# Altium PCB LimeSDR-QPCIe_1v2.PcbDoc (part 2 of 21)
Units mm, origin at the board's own origin, x right, y up, seen from the top; angles counter-clockwise.
Board outline 190 x 111.15 mm, 14 copper layers (Top, L2, L3, L4, L5, L6, L7, L8, L9, L10, L11, L12, L13, Bottom), stack 1.907 mm thick; 2014 components, 1408 nets, 9111 pads, 4171 vias.
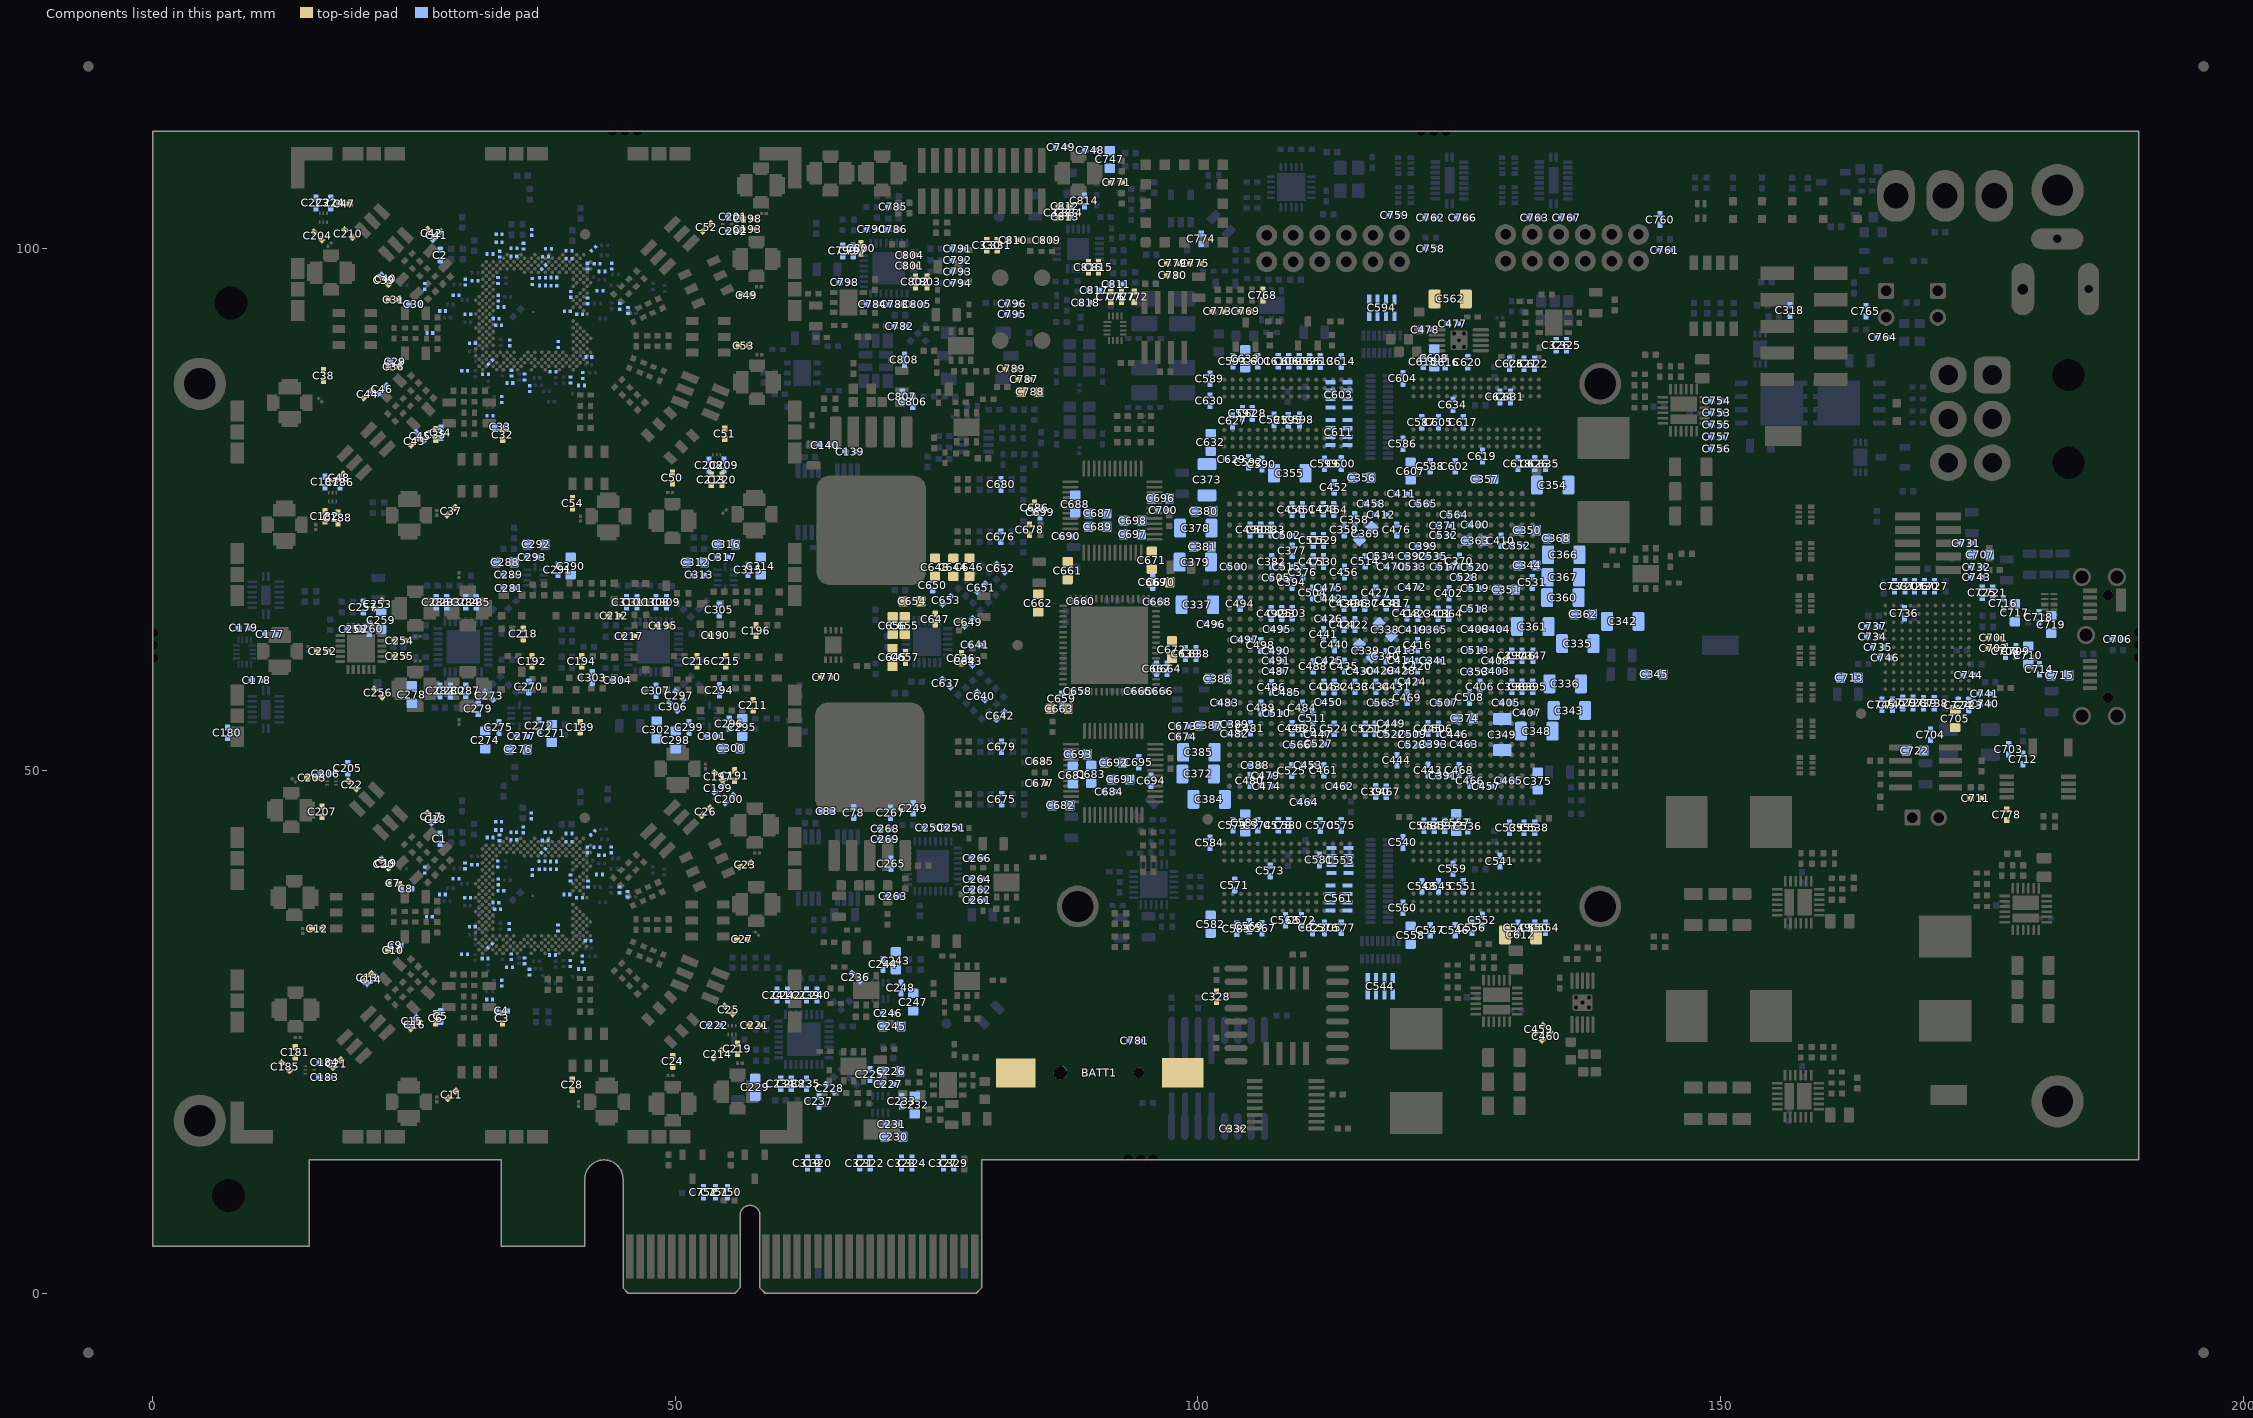
[diagram p14: the components of this part, seen from the top]

## Classes and differential pairs (continued)
differential pair LMS1_TX1_BB_I: +LMS1_TX1_BB_I_P -LMS1_TX1_BB_I_N
differential pair CLK125_FPGA_REF: +CLK125_FPGA_REF_P -CLK125_FPGA_REF_N
differential pair CLK125_FPGA_REFC: +CLK125_FPGA_REFC_P -CLK125_FPGA_REFC_N
differential pair LMS1_TX2_BB_Q: +LMS1_TX2_BB_Q_P -LMS1_TX2_BB_Q_N
differential pair LMS1_TX2_BB_I: +LMS1_TX2_BB_I_P -LMS1_TX2_BB_I_N
differential pair TX2_BB_Q: +TX2_BB_Q_P -TX2_BB_Q_N
differential pair TX2_BB_I: +TX2_BB_I_P -TX2_BB_I_N
differential pair TX1_BB_Q: +TX1_BB_Q_P -TX1_BB_Q_N
differential pair TX1_BB_I: +TX1_BB_I_P -TX1_BB_I_N
differential pair LMS2_TX2_BB_Q: +LMS2_TX2_BB_Q_P -LMS2_TX2_BB_Q_N
differential pair LMS2_TX2_BB_I: +LMS2_TX2_BB_I_P -LMS2_TX2_BB_I_N
differential pair LMS2_TX1_BB_Q: +LMS2_TX1_BB_Q_P -LMS2_TX1_BB_Q_N
differential pair LMS2_TX1_BB_I: +LMS2_TX1_BB_I_P -LMS2_TX1_BB_I_N
differential pair LMS1_RX1_BB_Q: +LMS1_RX1_BB_Q_P -LMS1_RX1_BB_Q_N
differential pair LMS1_RX1_BB_I: +LMS1_RX1_BB_I_P -LMS1_RX1_BB_I_N
differential pair DAC2_IOUTB: +DAC2_IOUTB_P -DAC2_IOUTB_N
differential pair DAC2_IOUTA: +DAC2_IOUTA_P -DAC2_IOUTA_N
differential pair DAC1_IOUTB: +DAC1_IOUTB_P -DAC1_IOUTB_N
differential pair DAC1_IOUTA: +DAC1_IOUTA_P -DAC1_IOUTA_N
differential pair DRVBC: +DRVBC_P -DRVBC_N
differential pair PCIE_HSI3_IC: +PCIE_HSI3_IC_P -PCIE_HSI3_IC_N
differential pair PCIE_HSI2_IC: +PCIE_HSI2_IC_P -PCIE_HSI2_IC_N
differential pair PCIE_HSI1_IC: +PCIE_HSI1_IC_P -PCIE_HSI1_IC_N
differential pair PCIE_HSI0_IC: +PCIE_HSI0_IC_P -PCIE_HSI0_IC_N
differential pair DRVAC: +DRVAC_P -DRVAC_N
differential pair ADC_INB: +ADC_INB_P -ADC_INB_N
differential pair ADC_INA: +ADC_INA_P -ADC_INA_N
differential pair DDR3_TOP_DQS1: +DDR3_TOP_DQS1_P -DDR3_TOP_DQS1_N
differential pair DDR3_TOP_DQS0: +DDR3_TOP_DQS0_P -DDR3_TOP_DQS0_N
differential pair DDR3_BOT_DQS3: +DDR3_BOT_DQS3_P -DDR3_BOT_DQS3_N
differential pair DDR3_BOT_DQS2: +DDR3_BOT_DQS2_P -DDR3_BOT_DQS2_N
differential pair CLK125_FPGA_TOP: +CLK125_FPGA_TOP_P -CLK125_FPGA_TOP_N
differential pair CLK125_FPGA_BOT: +CLK125_FPGA_BOT_P -CLK125_FPGA_BOT_N
differential pair EXT_GXB_CLK: +EXT_GXB_CLK_P -EXT_GXB_CLK_N
differential pair ADC_DB6: +ADC_DB6_P -ADC_DB6_N
differential pair ADC_DB5: +ADC_DB5_P -ADC_DB5_N
differential pair ADC_DB4: +ADC_DB4_P -ADC_DB4_N
differential pair ADC_DB3: +ADC_DB3_P -ADC_DB3_N
differential pair ADC_DB2: +ADC_DB2_P -ADC_DB2_N
differential pair ADC_DB1: +ADC_DB1_P -ADC_DB1_N
differential pair ADC_DB0: +ADC_DB0_P -ADC_DB0_N
differential pair ADC_DA6: +ADC_DA6_P -ADC_DA6_N
differential pair ADC_DA5: +ADC_DA5_P -ADC_DA5_N
differential pair ADC_DA4: +ADC_DA4_P -ADC_DA4_N
differential pair ADC_DA3: +ADC_DA3_P -ADC_DA3_N
differential pair ADC_DA2: +ADC_DA2_P -ADC_DA2_N
differential pair ADC_DA1: +ADC_DA1_P -ADC_DA1_N
differential pair ADC_DA0: +ADC_DA0_P -ADC_DA0_N
differential pair ADC_CLK: +ADC_CLK_P -ADC_CLK_N
differential pair ADC_CLKOUT: +ADC_CLKOUT_P -ADC_CLKOUT_N
differential pair TXRF12_2BB: +TXRF12_2BB_P -TXRF12_2BB_N
differential pair TXRF12_2AB: +TXRF12_2AB_P -TXRF12_2AB_N
differential pair TXRF12_1BB: +TXRF12_1BB_P -TXRF12_1BB_N
differential pair TXRF12_1AB: +TXRF12_1AB_P -TXRF12_1AB_N
differential pair TXRF11_2BB: +TXRF11_2BB_P -TXRF11_2BB_N
differential pair TXRF11_2AB: +TXRF11_2AB_P -TXRF11_2AB_N
differential pair TXRF11_1BB: +TXRF11_1BB_P -TXRF11_1BB_N
differential pair TXRF11_1AB: +TXRF11_1AB_P -TXRF11_1AB_N
differential pair SI5351_XTAL: +SI5351_XTAL_P -SI5351_XTAL_N
differential pair RXRF12_WBB: +RXRF12_WBB_P -RXRF12_WBB_N
differential pair RXRF12_WAB: +RXRF12_WAB_P -RXRF12_WAB_N
differential pair RXRF12_LBB: +RXRF12_LBB_P -RXRF12_LBB_N
differential pair RXRF12_LAB: +RXRF12_LAB_P -RXRF12_LAB_N
differential pair RXRF12_HBB: +RXRF12_HBB_P -RXRF12_HBB_N
differential pair RXRF12_HAB: +RXRF12_HAB_P -RXRF12_HAB_N
differential pair RXRF11_WBB: +RXRF11_WBB_P -RXRF11_WBB_N
differential pair RXRF11_WAB: +RXRF11_WAB_P -RXRF11_WAB_N
differential pair RXRF11_LBB: +RXRF11_LBB_P -RXRF11_LBB_N
differential pair RXRF11_LAB: +RXRF11_LAB_P -RXRF11_LAB_N
differential pair RXRF11_HBB: +RXRF11_HBB_P -RXRF11_HBB_N
differential pair RXRF11_HAB: +RXRF11_HAB_P -RXRF11_HAB_N
differential pair PCIE_REFCLK: +PCIE_REFCLK_P -PCIE_REFCLK_N
differential pair PCIE_HSO3: +PCIE_HSO3_P -PCIE_HSO3_N
differential pair PCIE_HSO2: +PCIE_HSO2_P -PCIE_HSO2_N
differential pair PCIE_HSO1: +PCIE_HSO1_P -PCIE_HSO1_N
differential pair PCIE_HSO0: +PCIE_HSO0_P -PCIE_HSO0_N
differential pair PCIE_HSI3: +PCIE_HSI3_P -PCIE_HSI3_N
differential pair PCIE_HSI2: +PCIE_HSI2_P -PCIE_HSI2_N
differential pair PCIE_HSI1: +PCIE_HSI1_P -PCIE_HSI1_N
differential pair PCIE_HSI0: +PCIE_HSI0_P -PCIE_HSI0_N
differential pair FX3_USB_SSTX: +FX3_USB_SSTX_P -FX3_USB_SSTX_N
differential pair FX3_USB_SSTX_IC: +FX3_USB_SSTX_IC_P -FX3_USB_SSTX_IC_N
differential pair FX3_USB_SSRX: +FX3_USB_SSRX_P -FX3_USB_SSRX_N
differential pair FX3_USB_D: +FX3_USB_D_P -FX3_USB_D_N
differential pair DDR3_TOP_CK: +DDR3_TOP_CK_P -DDR3_TOP_CK_N
differential pair DDR3_BOT_CK: +DDR3_BOT_CK_P -DDR3_BOT_CK_N
differential pair CYUSB_XTAL: +CYUSB_XTAL_P -CYUSB_XTAL_N
differential pair TXRF22_2BB: +TXRF22_2BB_P -TXRF22_2BB_N
differential pair TXRF22_2AB: +TXRF22_2AB_P -TXRF22_2AB_N
differential pair TXRF22_1BB: +TXRF22_1BB_P -TXRF22_1BB_N
differential pair TXRF22_1AB: +TXRF22_1AB_P -TXRF22_1AB_N
differential pair TXRF21_2BB: +TXRF21_2BB_P -TXRF21_2BB_N
differential pair TXRF21_2AB: +TXRF21_2AB_P -TXRF21_2AB_N
differential pair TXRF21_1BB: +TXRF21_1BB_P -TXRF21_1BB_N
differential pair TXRF21_1AB: +TXRF21_1AB_P -TXRF21_1AB_N
differential pair RXRF22_WBB: +RXRF22_WBB_P -RXRF22_WBB_N
differential pair RXRF22_WAB: +RXRF22_WAB_P -RXRF22_WAB_N
differential pair RXRF22_LBB: +RXRF22_LBB_P -RXRF22_LBB_N
differential pair RXRF22_LAB: +RXRF22_LAB_P -RXRF22_LAB_N
differential pair RXRF22_HBB: +RXRF22_HBB_P -RXRF22_HBB_N
differential pair RXRF22_HAB: +RXRF22_HAB_P -RXRF22_HAB_N
differential pair RXRF21_WBB: +RXRF21_WBB_P -RXRF21_WBB_N
differential pair RXRF21_WAB: +RXRF21_WAB_P -RXRF21_WAB_N
differential pair RXRF21_LBB: +RXRF21_LBB_P -RXRF21_LBB_N
differential pair RXRF21_LAB: +RXRF21_LAB_P -RXRF21_LAB_N
differential pair RXRF21_HBB: +RXRF21_HBB_P -RXRF21_HBB_N
differential pair RXRF21_HAB: +RXRF21_HAB_P -RXRF21_HAB_N
differential pair DRVA: +DRVA_P -DRVA_N
differential pair DRVB: +DRVB_P -DRVB_N
differential pair ADC_CLKC: +ADC_CLKC_P -ADC_CLKC_N
differential pair LMS1_RX2_BB_I: +LMS1_RX2_BB_I_P -LMS1_RX2_BB_I_N
differential pair LMS1_RX2_BB_Q: +LMS1_RX2_BB_Q_P -LMS1_RX2_BB_Q_N
differential pair LMS2_RX1_BB_I: +LMS2_RX1_BB_I_P -LMS2_RX1_BB_I_N
differential pair LMS2_RX1_BB_Q: +LMS2_RX1_BB_Q_P -LMS2_RX1_BB_Q_N
differential pair LMS2_RX2_BB_I: +LMS2_RX2_BB_I_P -LMS2_RX2_BB_I_N
differential pair LMS2_RX2_BB_Q: +LMS2_RX2_BB_Q_P -LMS2_RX2_BB_Q_N

## Components (designator, comment, footprint, x,y, rotation, side; value= is the part's Value field where it differs from the comment)
BATT1 "CR1220 Battery Holder" CR1220_SMD_HOLDER 90.85,21.1 r180 top locked
C1 "10pF, 25V" CAP0402#1 27.487,43.491 r90 bottom
C2 "10pF, 25V" CAP0402#1 27.514,99.328 r90 bottom
C3 "100pF, 50V" CAP0402#2 33.459,26.311 r270 top
C4 "100nF, 16V" CAP0402#1 33.4,27 r180 bottom
C5 "100nF, 16V" CAP0402#1 27.55,26.475 r90 bottom
C6 "100pF, 50V" CAP0402#2 27.059,26.311 r270 top
C7 "100pF, 50V" CAP0402#2 23.036,39.211 r180 top
C8 "100nF, 16V" CAP0402#1 24.225,38.7 r180 bottom
C9 "100nF, 16V" CAP0402#1 23.2,33.275 r0 bottom
C10 "100pF, 50V" CAP0402#2 23.036,32.811 r180 top
C11 "100nF, 16V" CAP0402#2 28.625,19 r45 top
C12 "100nF, 16V" CAP0402#2 15.737,34.891 r0 top
C13 "100pF, 50V" CAP0402#2 20.55,30.2 r225 top
C14 "100nF, 16V" CAP0402#1 20.9,29.975 r45 bottom
C15 "100nF, 16V" CAP0402#1 24.85,26.025 r45 bottom
C16 "100pF, 50V" CAP0402#2 25.075,25.675 r225 top
C17 "100pF, 50V" CAP0402#2 26.675,45.585 r135 top
C18 "100nF, 16V" CAP0402#1 27.075,45.35 r225 bottom
C19 "100nF, 16V" CAP0402#1 22.325,41.15 r315 bottom
C20 "100pF, 50V" CAP0402#2 22.15,41.059 r135 top
C21 "100pF, 50V" CAP0402#2 17.625,21.975 r45 top
C22 "100pF, 50V" CAP0402#2 19.1,48.625 r315 top
C23 "470pF, 50V" CAP0402#2 56.675,41 r205 top
C24 "470pF, 50V" CAP0402#2 49.75,22.175 r90 top
C25 "100pF, 50V" CAP0402#2 55.112,27.103 r135 top
C26 "100pF, 50V" CAP0402#2 52.919,46.077 r225 top
C27 "470pF, 50V" CAP0402#2 56.4,33.845 r180 top
C28 "470pF, 50V" CAP0402#2 40.15,19.95 r90 top
C29 "100nF, 16V" CAP0402#1 23.225,89.125 r0 bottom
C30 "100nF, 16V" CAP0402#1 25.025,94.625 r180 bottom
C31 "100pF, 50V" CAP0402#2 23.063,95.048 r180 top
C32 "100pF, 50V" CAP0402#2 33.486,82.148 r270 top
C33 "100nF, 16V" CAP0402#1 33.275,82.9 r180 bottom
C34 "100nF, 16V" CAP0402#1 27.575,82.325 r90 bottom
C35 "100pF, 50V" CAP0402#2 27.086,82.148 r270 top
C36 "100pF, 50V" CAP0402#2 23.063,88.648 r180 top
C37 "100nF, 16V" CAP0402#2 28.554,74.807 r45 top
C38 "100nF, 16V" CAP0402#2 16.35,87.8 r90 top
C39 "100pF, 50V" CAP0402#2 22.176,96.896 r135 top
C40 "100nF, 16V" CAP0402#1 22.275,97.05 r315 bottom
C41 "100nF, 16V" CAP0402#1 27.176,101.2 r225 bottom
C42 "100pF, 50V" CAP0402#2 26.702,101.422 r135 top
C43 "100pF, 50V" CAP0402#2 25.089,81.5 r225 top
C44 "100pF, 50V" CAP0402#3 20.539,86.026 r225 top
C45 "100nF, 16V" CAP0402#1 25.6,82 r135 bottom
C46 "100nF, 16V" CAP0402#1 21.975,86.475 r225 bottom
C47 "100pF, 50V" CAP0402#2 18.35,104.225 r0 top
C48 "100pF, 50V" CAP0402#2 17.85,78 r45 top
C49 "470pF, 50V" CAP0402#2 56.85,95.5 r180 top
C50 "470pF, 50V" CAP0402#2 49.725,78 r90 top
C51 "100pF, 50V" CAP0402#2 54.737,82.219 r90 top
C52 "100pF, 50V" CAP0402#2 53.01,101.979 r225 top
C53 "470pF, 50V" CAP0402#2 56.541,90.662 r180 top
C54 "470pF, 50V" CAP0402#2 40.175,75.575 r90 top
C55 "1uF, 6.3V" CAP0201 29.88,40.89 r90 bottom
C56 "1nF, 25V" CAP0201 39.83,43.183 r180 bottom
C57 "1uF, 6.3V" CAP0201 39.825,43.975 r180 bottom
C58 "1nF, 25V" CAP0201 36.33,40.265 r270 bottom
C59 "1uF, 6.3V" CAP0201 37.38,42.34 r45 bottom
C60 "1nF, 25V" CAP0201 37.555,43.315 r0 bottom
C61 "1uF, 6.3V" CAP0201 37.835,44.095 r0 bottom
C62 "1nF, 25V" CAP0201 33.175,43.571 r90 bottom
C63 "1uF, 6.3V" CAP0201 32.295,43.595 r0 bottom
C64 "1nF, 25V" CAP0201 36.235,45.67 r90 bottom
C65 "1uF, 6.3V" CAP0201 35.455,44.34 r90 bottom
C66 "1uF, 6.3V" CAP0201 26.025,40.495 r270 bottom
C67 "1uF, 6.3V" CAP0201 26.461,36.026 r180 bottom
C68 "1uF, 6.3V" CAP0201 27.712,38.141 r180 bottom
C69 "1uF, 6.3V" CAP0201 42.105,44.04 r225 bottom
C70 "1uF, 6.3V" CAP0201 40.825,37.825 r180 bottom
C71 "1uF, 6.3V" CAP0201 41.005,31.015 r0 bottom
C72 "1uF, 6.3V" CAP0201 34.305,32.19 r270 bottom
C73 "1uF, 6.3V" CAP0201 31.805,32.025 r180 bottom
C74 "1uF, 6.3V" CAP0201 33.38,29.665 r270 bottom
C75 "1uF, 6.3V" CAP0201 32.236,28.097 r180 bottom
C76 "1uF, 6.3V" CAP0201 41.575,42.42 r90 bottom
C77 "1uF, 6.3V" CAP0201 42.505,42.665 r0 bottom
C78 "1uF, 10V" CAP0402#1 67.08,45.989 r270 bottom
C79 "1nF, 25V" CAP0201 38.355,40.565 r180 bottom
C80 "1uF, 6.3V" CAP0201 38.355,41.3 r180 bottom
C81 "1nF, 25V" CAP0201 37.265,40.575 r180 bottom
C82 "1uF, 6.3V" CAP0201 37.255,41.34 r180 bottom
C83 "1uF, 10V" CAP0402#1 64.505,46.114 r180 bottom
C84 "1nF, 25V" CAP0201 34.545,44.1 r180 bottom
C85 "1uF, 6.3V" CAP0201 34.548,43.39 r180 bottom
C86 "1nF, 25V" CAP0201 33.105,45.09 r180 bottom
C87 "1uF, 6.3V" CAP0201 33.105,44.315 r180 bottom
C88 "1uF, 6.3V" CAP0201 30.13,37.84 r180 bottom
C89 "1uF, 6.3V" CAP0201 33.005,41.065 r90 bottom
C90 "1uF, 6.3V" CAP0201 30.805,40.99 r180 bottom
C91 "1uF, 6.3V" CAP0201 36.055,30.715 r270 bottom
C92 "1uF, 6.3V" CAP0201 39.625,38.15 r180 bottom
C93 "1uF, 6.3V" CAP0201 32.836,37.347 r0 bottom
C94 "1uF, 6.3V" CAP0201 30.58,35.065 r180 bottom
C95 "1uF, 6.3V" CAP0201 33.31,38.514 r0 bottom
C96 "1uF, 6.3V" CAP0201 33.05,39.365 r90 bottom
C97 "1uF, 6.3V" CAP0201 39.98,39.728 r270 bottom
C98 "1uF, 6.3V" CAP0201 42.955,41.915 r0 bottom
C99 "1uF, 6.3V" CAP0201 43.875,42.425 r90 bottom
C100 "1uF, 6.3V" CAP0201 42.755,40.065 r0 bottom
C101 "1uF, 6.3V" CAP0201 41.65,39.14 r90 bottom
C102 "1uF, 6.3V" CAP0201 44.655,38.59 r90 bottom
C103 "1uF, 6.3V" CAP0201 41.67,33.705 r0 bottom
C104 "1uF, 6.3V" CAP0201 41.105,31.965 r270 bottom
C105 "1uF, 6.3V" CAP0201 35.575,31.8 r270 bottom
C106 "1uF, 6.3V" CAP0201 34.142,31.191 r180 bottom
C107 "1uF, 6.3V" CAP0201 33.005,36.74 r180 bottom
C108 "1uF, 6.3V" CAP0201 32.271,33.24 r225 bottom
C109 "1uF, 6.3V" CAP0201 29.825,32.42 r180 bottom
C110 "1uF, 6.3V" CAP0201 45.425,38.17 r90 bottom
C111 "1uF, 6.3V" CAP0201 29.013,39.66 r180 bottom
C112 "1uF, 6.3V" CAP0201 39.955,31.54 r270 bottom
C113 "1uF, 6.3V" CAP0201 38.25,32.35 r180 bottom
C114 "1uF, 6.3V" CAP0201 34.13,35.09 r90 bottom
C115 "1uF, 6.3V" CAP0201 38.78,34.94 r90 bottom
C116 "1uF, 6.3V" CAP0201 29.907,96.727 r90 bottom
C117 "1nF, 25V" CAP0201 36.307,96.797 r270 bottom
C118 "1uF, 6.3V" CAP0201 37.407,98.177 r45 bottom
C119 "1nF, 25V" CAP0201 39.823,99.728 r180 bottom
C120 "1uF, 6.3V" CAP0201 39.823,98.976 r180 bottom
C121 "1nF, 25V" CAP0201 37.862,99.932 r0 bottom
C122 "1uF, 6.3V" CAP0201 37.582,99.152 r0 bottom
C123 "1nF, 25V" CAP0201 36.257,101.502 r90 bottom
C124 "1uF, 6.3V" CAP0201 35.482,100.177 r90 bottom
C125 "1nF, 25V" CAP0201 33.202,99.408 r90 bottom
C126 "1uF, 6.3V" CAP0201 32.277,99.432 r0 bottom
C127 "1uF, 6.3V" CAP0201 26.039,96.332 r270 bottom
C128 "1uF, 6.3V" CAP0201 26.509,91.866 r180 bottom
C129 "1uF, 6.3V" CAP0201 27.738,93.978 r180 bottom
C130 "1uF, 6.3V" CAP0201 42.177,99.927 r225 bottom
C131 "1uF, 6.3V" CAP0201 40.852,93.652 r180 bottom
C132 "1uF, 6.3V" CAP0201 41.032,86.852 r0 bottom
C133 "1uF, 6.3V" CAP0201 34.332,88.027 r270 bottom
C134 "1uF, 6.3V" CAP0201 31.845,87.925 r180 bottom
C135 "1uF, 6.3V" CAP0201 33.407,85.502 r270 bottom
C136 "1uF, 6.3V" CAP0201 32.28,83.942 r180 bottom
C137 "1uF, 6.3V" CAP0201 41.602,98.257 r90 bottom
C138 "1uF, 6.3V" CAP0201 42.532,98.502 r0 bottom
C139 "1uF, 10V" CAP0402#1 66.75,80.525 r0 bottom
C140 "1uF, 10V" CAP0402#1 64.35,81.15 r180 bottom
C141 "1nF, 25V" CAP0201 38.382,97.175 r180 bottom
C142 "1uF, 6.3V" CAP0201 38.382,96.402 r180 bottom
C143 "1nF, 25V" CAP0201 37.292,96.412 r180 bottom
C144 "1uF, 6.3V" CAP0201 37.29,97.149 r180 bottom
C145 "1nF, 25V" CAP0201 34.55,99.227 r180 bottom
C146 "1uF, 6.3V" CAP0201 34.575,99.985 r180 bottom
C147 "1nF, 25V" CAP0201 33.145,100.55 r180 bottom
C148 "1uF, 6.3V" CAP0201 33.145,101.325 r180 bottom
C149 "1uF, 6.3V" CAP0201 30.157,93.677 r180 bottom
C150 "1uF, 6.3V" CAP0201 33.032,96.902 r90 bottom
C151 "1uF, 6.3V" CAP0201 30.832,96.877 r180 bottom
C152 "1uF, 6.3V" CAP0201 36.092,86.542 r270 bottom
C153 "1uF, 6.3V" CAP0201 39.67,93.95 r180 bottom
C154 "1uF, 6.3V" CAP0201 35.575,87.65 r270 bottom
C155 "1uF, 6.3V" CAP0201 32.862,93.234 r0 bottom
C156 "1uF, 6.3V" CAP0201 30.582,90.902 r180 bottom
C157 "1uF, 6.3V" CAP0201 33.33,94.351 r0 bottom
C158 "1uF, 6.3V" CAP0201 33.057,95.202 r90 bottom
C159 "1uF, 6.3V" CAP0201 42.982,97.752 r0 bottom
C160 "1uF, 6.3V" CAP0201 43.907,98.257 r90 bottom
C161 "1uF, 6.3V" CAP0201 42.807,95.927 r0 bottom
C162 "1uF, 6.3V" CAP0201 41.6,94.952 r90 bottom
C163 "1uF, 6.3V" CAP0201 44.682,94.427 r90 bottom
C164 "1uF, 6.3V" CAP0201 41.732,89.577 r0 bottom
C165 "1uF, 6.3V" CAP0201 41.132,87.802 r270 bottom
C166 "1uF, 6.3V" CAP0201 34.168,87.078 r0 bottom
C167 "1uF, 6.3V" CAP0201 33.107,92.602 r180 bottom
C168 "1uF, 6.3V" CAP0201 32.298,89.077 r225 bottom
C169 "1uF, 6.3V" CAP0201 29.848,88.253 r180 bottom
C170 "1uF, 6.3V" CAP0201 40.007,95.565 r270 bottom
C171 "1uF, 6.3V" CAP0201 45.47,94.015 r90 bottom
C172 "1uF, 6.3V" CAP0201 29.039,95.497 r180 bottom
C173 "1uF, 6.3V" CAP0201 39.982,87.377 r270 bottom
C174 "1uF, 6.3V" CAP0201 38.291,88.175 r180 bottom
C175 "1uF, 6.3V" CAP0201 34.157,90.927 r90 bottom
C176 "1uF, 6.3V" CAP0201 38.807,90.777 r90 bottom
C177 "100nF, 16V" CAP0402#1 11.25,63.05 r180 bottom
C178 "100nF, 16V" CAP0402#1 9.975,58.65 r0 bottom
C179 "100nF, 16V" CAP0402#1 8.7,63.65 r180 bottom
C180 "100nF, 16V" CAP0402#1 7.15,53.625 r90 bottom
C181 "100pF, 50V" CAP0402#2 13.648,23.063 r270 top
C182 "100pF, 50V" CAP0402#2 16.475,74.325 r90 top
C183 "47pF" CAP0402#1 16.447,20.651 r180 bottom
C184 "47pF" CAP0402#1 16.453,22.074 r180 bottom
C185 "100pF, 50V" CAP0402#2 12.7,21.675 r135 top
C186 "47pF" CAP0402#1 17.912,77.612 r270 bottom
C187 "47pF" CAP0402#1 16.488,77.615 r270 bottom
C188 "100pF, 50V" CAP0402#2 17.725,74.175 r270 top
C189 "100pF, 50V" CAP0402#2 40.9,54.15 r270 top
C190 "100pF, 50V" CAP0402#2 53.88,62.95 r180 top
C191 "100pF, 50V" CAP0402#2 55.675,49.525 r270 top
C192 "100pF, 50V" CAP0402#2 36.3,60.475 r270 top
C193 "100pF, 50V" CAP0402#2 56.95,101.8 r180 top
C194 "100pF, 50V" CAP0402#2 41.05,60.475 r270 top
C195 "100pF, 50V" CAP0402#2 48.825,63.85 r0 top
C196 "100pF, 50V" CAP0402#2 57.725,63.4 r270 top
C197 "100pF, 50V" CAP0402#2 54.125,49.425 r315 top
C198 "100pF, 50V" CAP0402#2 56.95,102.8 r180 top
C199 "47pF" CAP0402#1 54.125,48.3 r225 bottom
C200 "47pF" CAP0402#1 55.15,47.275 r225 bottom
C201 "47pF" CAP0402#1 55.54,103.012 r180 bottom
C202 "47pF" CAP0402#1 55.537,101.588 r180 bottom
C203 "100pF, 50V" CAP0402#2 15.275,49.325 r0 top
C204 "100pF, 50V" CAP0402#2 15.8,101.15 r135 top
C205 "47pF" CAP0402#1 18.663,50.234 r270 bottom
C206 "47pF" CAP0402#1 16.546,49.696 r0 bottom
C207 "100pF, 50V" CAP0402#2 16.2,46.075 r270 top
C208 "47pF" CAP0402#1 53.238,79.238 r90 bottom
C209 "47pF" CAP0402#1 54.662,79.238 r90 bottom
C210 "100pF, 50V" CAP0402#2 18.725,101.375 r315 top
C211 "100pF, 50V" CAP0402#2 57.45,56.25 r90 top
C212 "100pF, 50V" CAP0402#2 44.143,64.813 r0 top
C213 "100pF, 50V" CAP0402#2 53.45,77.825 r90 top
C214 "100pF, 50V" CAP0402#2 54.046,22.871 r45 top
C215 "100pF, 50V" CAP0402#2 54.825,60.463 r270 top
C216 "100pF, 50V" CAP0402#2 52.075,60.45 r270 top
C217 "100pF, 50V" CAP0402#2 45.6,62.875 r180 top
C218 "100pF, 50V" CAP0402#2 35.455,63.075 r270 top
C219 "100pF, 50V" CAP0402#2 55.95,23.375 r90 top
C220 "100pF, 50V" CAP0402#2 54.475,77.825 r90 top
C221 "47pF" CAP0402#2 57.6,25.625 r180 top
C222 "47pF" CAP0402#1 53.746,25.627 r0 bottom
C223 "47pF" CAP0402#1 15.613,104.315 r270 bottom
C224 "47pF" CAP0402#1 17.037,104.312 r270 bottom
C225 "100pF, 50V" CAP0402#1 68.625,20.925 r270 bottom
C226 "10uF, 6.3V" CAP0603#1 70.64,21.246 r180 bottom
C227 "100nF, 16V" CAP0402#1 70.365,19.996 r0 bottom
C228 "10pF, 25V" CAP0402#1 64.783,19.6 r315 bottom
C229 "10uF, 16V" CAP0603#1 57.65,19.7 r90 bottom
C230 "10uF, 6.3V" CAP0603#1 70.9,14.981 r180 bottom
C231 "100nF, 16V" CAP0402#1 70.725,16.156 r0 bottom
C232 "10uF, 6.3V" CAP0603#1 72.9,18.006 r90 bottom
C233 "100nF, 16V" CAP0402#1 71.675,18.356 r270 bottom
C234 "100nF, 16V" CAP0402#1 60.1,20.05 r90 bottom
C235 "100pF, 50V" CAP0402#1 62.55,20.05 r90 bottom
C236 "100pF, 50V" CAP0402#1 67.275,30.225 r315 bottom
C237 "100nF, 16V" CAP0402#1 63.75,18.35 r90 bottom
C238 "100pF, 50V" CAP0402#1 61.1,20.05 r90 bottom
C239 "100nF, 16V" CAP0402#1 62.55,28.525 r90 bottom
C240 "10pF, 25V" CAP0402#1 63.55,28.525 r90 bottom
C241 "100nF, 16V" CAP0402#1 59.725,28.525 r270 bottom
C242 "100pF, 50V" CAP0402#1 60.725,28.525 r270 bottom
C243 "10uF, 6.3V" CAP0603#1 71.107,31.807 r270 bottom
C244 "100nF, 16V" CAP0402#1 69.882,31.457 r90 bottom
C245 "10uF, 6.3V" CAP0603#1 70.725,25.553 r180 bottom
C246 "100nF, 16V" CAP0402#1 70.375,26.764 r0 bottom
C247 "10uF, 6.3V" CAP0603#1 72.75,27.85 r90 bottom
C248 "100nF, 16V" CAP0402#1 71.589,29.2 r270 bottom
C249 "100nF, 16V" CAP0402#1 72.775,46.4 r90 bottom
C250 "100nF, 16V" CAP0402#1 74.35,44.55 r180 bottom
C251 "100nF, 16V" CAP0402#1 76.475,44.525 r180 bottom
C252 "470pF, 50V" CAP0402#2 16.251,61.425 r0 top
C253 "470pF, 50V" CAP0402#2 21.544,65.894 r45 top
C254 "470pF, 50V" CAP0402#2 23.65,62.425 r0 top
C255 "470pF, 50V" CAP0402#2 23.65,60.925 r0 top
C256 "470pF, 50V" CAP0402#2 21.576,57.425 r315 top
C257 "1uF, 10V" CAP0402#1 20.15,65.65 r270 bottom
C258 "100pF, 50V" CAP0402#1 19.175,63.525 r0 bottom
C259 "22uF, 10V" CAP0603#1 21.85,64.375 r90 bottom
C260 "100nF, 16V" CAP0402#1 20.725,63.575 r90 bottom
C261 "2.2uF, 16V" CAP0402#1 78.875,37.575 r180 bottom
C262 "100nF, 16V" CAP0402#1 78.875,38.6 r180 bottom
C263 "100pF, 50V" CAP0402#1 70.85,38 r0 bottom
C264 "100pF, 50V" CAP0402#1 78.875,39.625 r180 bottom
C265 "100pF, 50V" CAP0402#1 70.65,41.1 r90 bottom
C266 "100pF, 50V" CAP0402#1 78.875,41.625 r180 bottom
C267 "2.2uF, 16V" CAP0402#1 70.6,45.975 r270 bottom
C268 "100nF, 16V" CAP0402#1 70.1,44.425 r0 bottom
C269 "100pF, 50V" CAP0402#1 70.1,43.425 r0 bottom
C270 "100pF, 50V" CAP0402#1 35.975,58 r270 bottom
C271 "10uF, 6.3V" CAP0603#1 38.185,53.56 r90 bottom
C272 "100nF, 16V" CAP0402#1 36.965,54.31 r270 bottom
C273 "10pF, 25V" CAP0402#1 32.183,57.175 r315 bottom
C274 "10uF, 6.3V" CAP0603#1 31.825,52.925 r90 bottom
C275 "100nF, 16V" CAP0402#1 33.125,54.125 r270 bottom
C276 "10uF, 6.3V" CAP0603#1 34.972,52.056 r0 bottom
C277 "100nF, 16V" CAP0402#1 35.322,53.271 r180 bottom
C278 "10uF, 16V" CAP0603#1 24.8,57.275 r90 bottom
C279 "100nF, 16V" CAP0402#1 31.15,55.925 r90 bottom
C280 "100pF, 50V" CAP0402#1 28.5,57.625 r90 bottom
C281 "100pF, 50V" CAP0402#1 34.1,67.45 r0 bottom
C282 "100nF, 16V" CAP0402#1 27.5,57.625 r90 bottom
C283 "100pF, 50V" CAP0402#1 28.125,66.1 r270 bottom
C284 "100nF, 16V" CAP0402#1 29.95,66.1 r90 bottom
C285 "10pF, 25V" CAP0402#1 30.95,66.1 r90 bottom